# Altium PCB ESP32_with_USBC_PCB_V1.0.PcbDoc (continued)
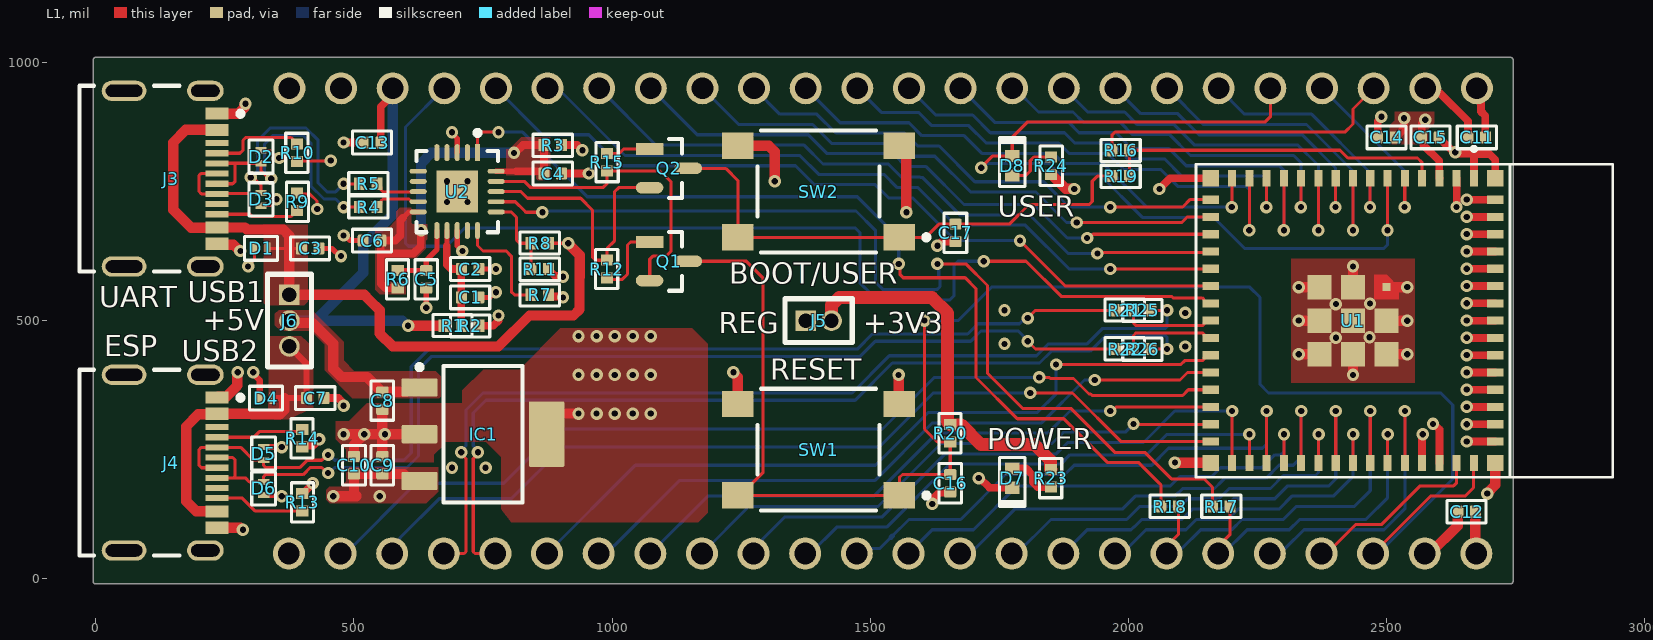
[diagram p0: L1 view]
## Part data (continued)
U1: "20.5dBm ESP32-S3FN8 Chip 2.4GHz SMD WiFi Modules ROHS", LCSC Part=C2913206, Manufacturer="Espressif Systems", Supplier Part Number=5407-ESP32-S3-MINI-1-N8CT-ND, Category="RF Transceiver Modules and Modems", ComponentLink1Description=https://datasheet.octopart.com:443/ESP32-S3-MINI-1-N8-Espressif-Systems-datasheet-188867343.pdf?src-supplier=TME, ComponentLink1URL=https://datasheet.octopart.com:443/ESP32-S3-MINI-1-N8-Espressif-Systems-datasheet-188867343.pdf?src-supplier=TME, ComponentLink2Description=https://datasheet.octopart.com:443/ESP32-S3-MINI-1-N8-Espressif-Systems-datasheet-165560562.pdf?src-supplier=TME, ComponentLink2URL=https://datasheet.octopart.com:443/ESP32-S3-MINI-1-N8-Espressif-Systems-datasheet-165560562.pdf?src-supplier=TME, ComponentLink3Description=https://datasheet.octopart.com:443/ESP32-S3-MINI-1-N8-Espressif-Systems-datasheet-165560559.pdf?src-supplier=TME, ComponentLink3URL=https://datasheet.octopart.com:443/ESP32-S3-MINI-1-N8-Espressif-Systems-datasheet-165560559.pdf?src-supplier=TME, ComponentLink4Description=https://datasheet.octopart.com:443/ESP32-S3-MINI-1-N8-Espressif-Systems-datasheet-192318068.pdf?src-supplier=HQonline, ComponentLink4URL=https://datasheet.octopart.com:443/ESP32-S3-MINI-1-N8-Espressif-Systems-datasheet-192318068.pdf?src-supplier=HQonline, Manufacturer Part Number=ESP32-S3-MINI-1-N8, Pricing="1=5,28, 10=4,566, 25=4,3196, 100=3,9802, 250=3,7768 (USD)", RoHS=Compliant, Stock=6313, Supplier=DigiKey
U2: "Tape & Reel (TR) 2006 UART USB 2.0 interface controller 3.3V~5V 4mm 8mA 12Mbps", Ambient Temperature Range High=85°C, Case/Package=QFN, Clock Frequency=12.02MHz, LCSC Part=C132159, Manufacturer=FTDI, Max Supply Current=8.4mA, Max Supply Voltage=5.5V, Min Operating Temperature=-40°C, Min Supply Voltage=2.97V, Operating Supply Current=8mA, Operating Supply Voltage=5V, Supplier Part Number=768-1128-6-ND, Category="UART Interface ICs", ComponentLink1Description=https://datasheet.octopart.com:443/FT231XQ-R-FTDI-datasheet-182343132.pdf?src-supplier=IHS, ComponentLink1URL=https://datasheet.octopart.com:443/FT231XQ-R-FTDI-datasheet-182343132.pdf?src-supplier=IHS, ComponentLink2Description=https://datasheet.octopart.com:443/FT231XQ-R-FTDI-datasheet-11021087.pdf?src-supplier=HQonline, ComponentLink2URL=https://datasheet.octopart.com:443/FT231XQ-R-FTDI-datasheet-11021087.pdf?src-supplier=HQonline, ComponentLink3Description=https://datasheet.octopart.com:443/FT231XQ-R-FTDI-datasheet-28834672.pdf?src-supplier=SOS+electronic, ComponentLink3URL=https://datasheet.octopart.com:443/FT231XQ-R-FTDI-datasheet-28834672.pdf?src-supplier=SOS+electronic, ComponentLink4Description=https://datasheet.octopart.com:443/FT231XQ-R-FTDI-datasheet-68321328.pdf?src-supplier=TME, ComponentLink4URL=https://datasheet.octopart.com:443/FT231XQ-R-FTDI-datasheet-68321328.pdf?src-supplier=TME, ComponentLink5Description=https://datasheet.octopart.com:443/FT231XQ-R-FTDI-datasheet-134530624.pdf?src-supplier=SHENGYU+ELECTRONICS, ComponentLink5URL=https://datasheet.octopart.com:443/FT231XQ-R-FTDI-datasheet-134530624.pdf?src-supplier=SHENGYU+ELECTRONICS, Data Rate=12Mbps, Height=800µm, Height - Seated (Max)=800µm, Interface="UART, USB", Lead Free="Lead Free", Length=4mm, Lifecycle Status=Production, Manufacturer Part Number=FT231XQ-R, Max Operating Temperature=85°C, Mounting Technology="Surface Mount", Number of Channels=1, Number of Terminals=20, Pins=20, Pricing="1=2,34, 25=2,27, 100=2,2, 250=2, 500=1,82002, 1000=1,7625 (USD)", REACH SVHC=Yes, RoHS=Compliant, Supplier=DigiKey, Terminal Pitch=500µm, Weight=123.008581mg, Width=4mm

## Via types
v1: diameter 24, hole 12, L1 to L4, tented both sides, 160 vias

## Nets (pads, with @x,y where several pads share a name; then routed paths per layer and width w, separated by ;. In a path a pad name is that pad's centre, name@x,y a point inside that pad or via, vN(x,y) a via of type N, cw(c..) or ccw(c..) an arc to the next point about the centre after c; other vN are vias at no path point)
+3V3: C11.2 C12.2 C14.2 C15.2 J1.2 J2.1 J5.2 R2.1 R3.1 R20.2 R23.2 R24.2 U1.3 | length 4783.1
  L1 w15: R2.1 770,490 780,500 v1(780,510) ; R3.1 932.56,840 v1(942.56,830) ; C14.2@2517.01,855.07 2517.01,856.18 2520.14,859.31 2521.25,859.31 2534,872.07 v1(2534,892) ; v1(2575,889) 2567.99,881.99 C15.2 2571.12,851.87 2571.12,840.25 2601.99,809.39 2601.99,775.96 U1.3 ; J1.2 2583.99,941.01 2602.99,941.01 2657.99,886.01 C11.2
  L1 w20: R24.2 1850.63,782.36 1851.81,782.36 1878.41,755.77 1894.23,755.77 v1(1895,755) ; C12.2 2672.01,50.99 J2.1
  L1 w25: J5.2 1425,530 1440,545 1619.4,545 1650,514.4 1650,304.02 1655.89,298.13 1676.13,298.13 1714.26,260 1818.08,260 1849.04,229.04 1849.04,212.97 R23.2
  L2 w15: v1(2534,892) 2569.56,892 2572.56,889 v1(2575,889)
  L2 w20: v1(2575,889) 2575,690 2622,643 2622,101 J2.1
  L2 w40: v1(780,510) 789.4,510 817,537.6 817,762 885,830 935.6,830 943.68,838.07 1425,838.07 ; J5.2 1425,838.07 ; v1(1895,755) 1890.53,759.47 1890.53,814.64 1867.1,838.07 ; J1.2 v1(2575,889) 2524.07,838.07 1867.1,838.07 ; 1425,838.07 1867.1,838.07
+3V3_FTDI: C4.2 C6.2 R3.2 R6.1 U2.10 U2.20 | length 878.2
  L1 w10.01: 595,699.36 606.27,710.63 U2.10 ; U2.20 815,789.37
  L1 w15: R6.1 584.94,563.05 560.79,563.05 552.01,571.83 552.01,630 ; 595,699.36 590,694.36 590,665 580,655 C6.2 552.01,630 ; v1@629.23,674.23 629.23,644.23 615,630 552.01,630 ; v1(810,825) 812.44,825 827.44,840 R3.2 C4.2@867.99,786.18 ; 815,789.37 856.08,789.37 856.13,789.31 864.86,789.31 C4.2@867.99,786.18 ; C4.2 C4.2@867.99,786.18
  L1 w20: v1@629.23,674.23 v1(630,675)
  L4 w20: v1(630,675) 630,805 650,825 v1(810,825)
+3V3_REG: C9.2 C10.2 IC1.3 J5.1 | length 1435.5
  L1 w20: v1(460,160) 505,160 505,161.08 500,166.08 C10.2 C9.2 ; C9.2@556.18,202.99 596.69,202.99 610.24,189.45 IC1.3
  L2 w40: v1(460,160) v1(550,160) 1305,160 1375,230 J5.1
+5V: C8.2 C13.2 IC1.1 J1.22 J6.2 R1.1 | length 1270.7
  L1 w15: C13.2 552.01,914.29 575,937.28 J1.22
  L1 w20: J6.2 378.83,496.17 418.83,496.17 460,455 460,406.72 475.79,390.92 524.9,390.92 553.82,362.01 C8.2 601.69,362.01 610.24,370.55 IC1.1 ; v1(605,490) R1.1
  L4 w20: J6.2 425,500 ; J1.22 575,705.49 518,648.49 518,593 425,500 ; v1(605,490) 603.92,490 593.92,500 425,500
+5V_VBUS1: C3.1 D1.2 J3.A4B9 J3.B4A9 J6.1 R8.2 | length 1485.7
  L1 w6: D1.2 375,640 C3.1 ; R8.2 v1(915,650)
  L1 w20: J3.B4A9@234.33,680 185,680 150,715 150,845 174.49,869.49 J3.A4B9 ; J3.B4A9 288.42,680.51 292.43,676.5 363.28,676.5 375,664.78 375,640 J6.1 520,550 529.97,540.03 550,520 550,475 575,450 780,450 840,510 925.28,510 937,521.72 937,585 937.1,585.1 937.1,626.81 915,648.92 v1(915,650)
+5V_VBUS2: C7.1 D4.2 J4.A4B9 J4.B4A9 J6.3 | length 618.6
  L1 w12: D4.2 365,350 C7.1 407.99,417.01 J6.3
  L1 w20: J4.B4A9 194.49,130.51 175,150 175,295 198.73,318.73 234.08,318.73 J4.A4B9 275,319.49 302.73,319.49 303.22,319 356.78,319 365,327.22 365,350
+VCC_FTDI: C1.2 C2.2 R1.2 R2.2 U2.12 | length 207.6
  L1 w10.01: 679.99,645 679.99,650 680.08,650.09 680.08,674.35 U2.12
  L1 w15: 679.99,645 679.99,608.79 688.78,600 C2.2 C1.2 R1.2
BTN_GPIO_0: C17.2 Q2.3 R19.2 SW2.1 SW2.2 | length 1012.4
  L1 w6: Q2.3 1220,795 1243.5,771.5 SW2.2 SW2.1 1607.3,661.42 1632.89,687.01 C17.2 1769.41,687.01 1807.4,725 1924.14,725 1930,730.86 1930,770 1940,780 R19.2
CHIP_PU: C16.2 J2.3 Q1.3 R20.1 SW1.1 SW1.2 U1.45 | length 3280.9
  L1 w6: Q1.3 1260,615 1292.09,582.91 1292.09,205.08 1248.43,161.42 SW1.2 SW1.1 1556.5,196.15 1562.35,202.01 C16.2 R20.1 1629.93,265 1605,289.93 v1(1605,500) ; J2.3 2585,160 2651.82,160 2668.41,176.59 2668.41,223.53 U1.45
  L4 w6: v1(1605,500) 1670,500 1735,565 2235,565 2255,545 2255,376.52 2271.52,360 2605,360 2628.26,336.74 2628.26,193.26 2484,49 J2.3
CON1_USB_N: D2.2 J3.A7 J3.B7 R4.1 | length 568.6
  L1 w6.03: J3.A7 265.16,765.16 270,770 270,804.76 ; J3.B7 235.08,804.76 270,804.76 ; v1(340,775) 336.56,778.44 331.56,778.44 320,790 D2.2 319.76,804.76 270,804.76 ; v1(480,720) R4.1
  L4 w6.03: v1(340,775) 338.8,775 327.02,786.78 327.02,842.17 343.8,858.95 401.2,858.95 416.63,843.53 416.63,760.92 442.06,735.49 464.51,735.49 v1(480,720)
CON1_USB_P: D3.2 J3.A6 J3.B6 R5.1 | length 612.6
  L1 w6.03: J3.A6 203.53,784.84 200,781.31 200,750 204.53,745.47 J3.B6 235.86,746.49 318.99,746.49 D3.2 320,762.5 v1@308.44,774.06 ; v1(480,765) R5.1
  L4 w6.03: v1(300,777.5) 301.2,777.5 312.98,789.28 312.98,847.99 337.98,872.99 407.01,872.99 430.66,849.34 430.66,766.73 447.87,749.51 464.51,749.51 v1(480,765)
CON2_USB_N: D5.2 J4.A7 J4.B7 R21.1 | length 2099.8
  L1 w6.03: J4.A7 204.84,215.16 200,220 200,250 204.53,254.53 J4.B7 280.47,254.53 305,230 D5.2 325,219.3 328.53,215.76 395.76,215.76 409.51,229.51 437.48,229.51 447.97,240 v1(450,240) ; v1(1805,505) 1820,520 R21.1
  L4 w6.03: v1(450,240) 452.03,240 462.52,229.51 596.95,229.51 610.97,243.53 610.97,410.97 644.92,444.92 1475.08,444.92 1504.19,474.03 1688.7,474.03 1708.7,494.03 1789.17,494.03 1800.14,505 v1(1805,505)
CON2_USB_P: D6.2 J4.A6 J4.B6 R22.1 | length 2067.1
  L1 w6.03: J4.B6 266.94,195.47 ; J4.A6 265.16,234.84 270,230 270,198.53 266.94,195.47 ; v1(450,205) 447.97,205 437.48,215.49 415.33,215.49 401.58,201.74 328.53,201.74 325,198.2 D6.2 297.5,187.5 289.53,195.47 266.94,195.47 ; v1(1805,460) 1820,445 R22.1
  L4 w6.03: v1(450,205) 452.03,205 462.52,215.49 602.76,215.49 625,237.72 625,405.16 650.73,430.89 1480.89,430.89 1510,460 1694.51,460 1714.51,480 1786.67,480 1805,461.67 v1(1805,460)
CON_ESP_USB_N: J2.21 R25.1 | length 1813.7
  L1 w6.03: J2.21 713.45,49 716.99,52.53 716.99,232.48 708,241.47 v1(708,245) ; R25.1 v1(2075,520)
  L4 w6.03: v1(708,245) 708,248.53 716.99,257.52 716.99,326.83 750.08,359.92 909.92,359.92 1464.92,359.92 1537.05,432.05 1755.41,432.05 1755.47,431.99 1822.14,431.99 1845.16,455 1920.16,455 1950.16,485 2071.47,485 2075,488.53 v1(2075,520)
CON_ESP_USB_P: J2.20 R26.1 | length 1781.4
  L1 w6.03: v1(740,245) 740,241.47 731.01,232.48 731.01,52.53 734.55,49 J2.20 ; R26.1 v1(2075,445)
  L4 w6.03: v1(740,245) 740,248.53 731.01,257.52 731.01,321.01 755.89,345.89 1470.73,345.89 1542.86,418.01 1749.6,418.01 1749.66,417.95 1827.95,417.95 1850.97,440.97 1925.97,440.97 1955.97,470.97 2071.47,470.97 2075,467.44 v1(2075,445)
CON_GPIO_0: J1.3 R16.2 | length 590.9
  L1 w6: R16.2 1967.99,859.14 1973.85,865 2419.14,865 2435,880.86 2435,910 J1.3
DTR_FTDI: Q2.2 R12.2 U2.18 | length 533
  L1 w6: U2.18 823.03,750 836.03,737 939.2,737 962.1,714.1 962.1,622.87 967.96,617.01 R12.2 990,640 1005,655 1005,750 1012.6,757.6 Q2.2
ESP_USB_N: R21.2 R25.2 U1.23 | length 181
  L1 w6.03: R21.2 2010,495.28 2015,490.28 2143.18,490.28 2146.72,493.82 2146.72,495.14 2151.57,500 U1.23
ESP_USB_P: R22.2 R26.2 U1.24 | length 182.6
  L1 w6.03: R22.2 2010,471.25 2015,476.25 2143.18,476.25 2146.72,472.72 2146.72,471.39 2151.57,466.54 U1.24
FTDI_RESET: C5.2 R6.2 U2.11 | length 141.1
  L1 w10.01: R6.2 C5.2 640,617 648,625 660.63,637.63 U2.11
FTDI_USB_N: R4.2 U2.9 | length 90.7
  L1 w6.03: R4.2 552.61,727.61 552.61,731.95 556.15,735.49 595,735.49 606.71,735.49 611.88,730.32 U2.9
FTDI_USB_P: R5.2 U2.8 | length 88.7
  L1 w6.03: R5.2 552.61,757.39 552.61,753.05 556.15,749.51 624.1,749.51 U2.8
GND: C1.1 C2.1 C3.2 C4.1 C5.1 C6.1 C7.2 C8.1 C9.1 C10.1 C11.1 C12.1 C13.1 C14.1 C15.1 C16.1 C17.1 D1.1 D2.1 D3.1 D4.1 D5.1 D6.1 D7.1 IC1.2 IC1.4 J1.1 J1.23 J2.2 J2.24 J3.A1B12 J3.B1A12 J3.S1 J3.S2 J3.S3 J3.S4 J4.A1B12 J4.B1A12 J4.S1 J4.S2 J4.S3 J4.S4 R7.1 R9.1 R10.1 R11.1 R13.1 R14.1 SW1.3 SW1.4 SW2.3 SW2.4 U1.1 U1.2 U1.42 U1.43 U1.46 U1.47 U1.48 U1.49 U1.50 U1.51 U1.52 U1.53 U1.54 U1.55 U1.56 U1.57 U1.58 U1.59 U1.60 U1.61 U1.62 U1.63 U1.64 U1.65 U1.66 U1.67 U1.68 U1.69 U1.70 U1.71 U1.72 U1.73 U2.3 U2.13 U2.21 | length 4157.5
  L1 w6: v1(295,605) 307.5,617.5 D1.1 ; D3.1 321,723.5 338.5,723.5 v1(350,735) ; D2.1 321,829 337.21,829 351.21,815 v1(355,815) ; R9.1 392.01,745 415,745 428.41,731.59 428.41,716.59 v1(428.81,716.19) ; R10.1 391,809 454,809 v1(455,810)
  L1 w10.01: C3.2 457.65,640 472.65,625 v1(475,625) ; v1(480,665) 482.35,665 492.35,655 C6.1 ; v1(640,525) C5.1 ; v1(690,865) 690,862.67 700,852.67 U2.3 ; U2.13 700,645 v1(710,635) ; C1.1 762.67,545 772.67,555 v1(775,555) ; C2.1 v1(775,600)
  L1 w12: v1(305,400) 305,396.75 317.5,384.25 D4.1 ; D6.1 354.25,162.5 356.75,160 v1(360,160) ; D5.1 v1(360,255)
  L1 w15: R14.1 403.13,258.13 420.69,258.13 v1(432.56,270) ; R13.1@401.18,165 420,183.82 v1(420,185) ; C7.2 470,350 480,340 v1(480,335) ; v1(480,845) C13.1 ; R7.1 877.01,549.85 880.14,546.72 903.28,546.72 v1(905,545) ; R11.1 877.01,598.82 889.1,586.72 903.28,586.72 v1(905,585) ; C4.1 v1(955,785) ; v1(1620,145) 1621.72,146.72 1621.72,155.44 1633.29,167 1654.01,167 C16.1 ; v1(1630,645) 1637.99,652.99 C17.1 ; v1(1710,195) 1712.44,195 1731.14,176.3 D7.1 ; v1(2060,755) 2080.59,775.59 U1.63 ; C14.1 2482.99,885.56 2490,892.56 v1(2490,895) ; U1.42 2568.9,278.9 v1(2570,280) ; v1(2590,300) 2591.72,300 2602.36,289.36 U1.43 ; C15.1 2602.01,853.82 2629.83,826 v1(2633,826) 2634.08,826 2636.89,823.19 2675.35,823.19 ; v1@2635.83,720.43 U1.2 ; v1@2655.47,265.75 U1.46 ; v1@2655.47,299.21 U1.47 ; v1@2655.47,332.68 U1.48 ; v1@2655.47,366.14 U1.49 ; v1@2655.47,399.61 U1.50 ; v1@2655.47,433.07 U1.51 ; v1@2655.47,466.54 U1.52 ; v1@2655.47,500 U1.53 ; v1@2655.47,533.46 U1.54 ; v1@2655.47,566.93 U1.55 ; v1@2655.47,600.39 U1.56 ; v1@2655.47,633.86 U1.57 ; v1@2655.47,667.32 U1.58 ; v1@2655.47,700.79 U1.59 ; v1@2655.47,734.25 U1.60 ; U1.1 2669.29,817.13 2675.35,823.19 ; J1.1 2683.04,941.96 2683.04,905.15 2691.38,896.81 2691.38,854.37 C11.1 ; U1.62 2710.63,811.28 2698.91,823 2675.54,823 2675.35,823.19
  L1 w20: J4.B1A12 279.9,99.02 283.92,95 v1(285,95) ; J4.A1B12 236.65,352.8 252.8,352.8 274.23,374.23 274.23,399.23 v1(275,400) ; J3.B1A12 236.65,647.2 266.71,647.2 278.92,635 v1(280,635) ; J3.A1B12 275.98,900.98 287.32,912.32 287.32,917.32 v1(290,920) ; v1(480,280) v1(520,280) v1(560,280) ; C10.1 500.16,237.17 500.16,260.16 v1@519.23,279.23 ; C9.1 555,273.92 560,278.92 v1(560,280) ; C8.1 555,286.08 560,281.08 v1(560,280) ; IC1.2 v1(560,280) ; IC1.4 873.03,295.55 897.48,320 v1(935,320) ; v1(1235,400) 1235,398.92 1243.5,390.41 SW1.4 ; SW2.4 1303.28,838.58 1315,826.87 v1(1315,770) ; v1(1555,395) 1555,340.08 SW1.3 ; SW2.3 1570,825.08 v1(1570,710) ; v1(2090,225) 2090.3,224.7 2159.15,224.7 U1.64 ; v1@2328.99,500.04 v1(2330,500.04) ; v1(2330,435.08) U1.70@2370.04,435.08 ; v1(2330,500.04) U1.71 ; v1(2330,565) U1.72 ; v1(2435,394.96) U1.69 ; U1.73@2435.08,565 v1(2435.08,605.04) ; U1.68 v1(2540,435) ; U1.67 v1(2540.08,499.96) ; U1.66@2500.04,564.92 v1(2540.08,564.92) ; J2.2 2584,49 2637.99,102.99 C12.1 ; v1(2695,165) 2695,166.08 2710.63,181.71 U1.65
  other v1: 690,215 755,215 2655.26,265.96 2655.26,299.43 970,320 1005,320 1040,320 1075,320 2655.26,332.89 2655.26,366.36 935,395 970,395 1005,395 1040,395 1075,395 2655.26,399.82 2655.26,433.29 2110,450 1760,455 2402,467 2655.26,466.75 2467,468 935,470 970,470 1005,470 1040,470 1075,470 2655.26,500.22 2110,515 1760,520 2402,532 2468,533 2655.26,533.68 2655.26,567.15 2655.26,600.61 2655.26,634.07 2655.26,667.54 2655.26,701 2635.61,720.22 680,730 720,730 2655.26,734.47 680,770 720,770
GPIO_1: J1.4 U1.5 | length 352
  L1 w6: v1(2535,720) 2535.22,720.22 2535.22,775.37 U1.5
  L4 w6: J1.4 2535,790 v1(2535,720)
GPIO_2: D8.1 J1.5 U1.6 | length 1667.5
  L1 w6: v1(1715,796.07) 1715,797.15 1736.55,818.7 D8.1 1775,855 1805,885 2265,885 2275,895 J1.5 ; v1@2501.97,675.04 U1.6
  L4 w6: v1(1715,796.07) 1718.79,796.07 1726.72,804 1846.72,804 1866.72,784 1943.01,784 2027.01,700 2165,700 2225,640 2495,640 2501.93,646.93 v1(2501.93,675)
GPIO_3: J1.6 U1.7 | length 483.3
  L1 w6: v1(2468.07,720) 2468.29,720.22 2468.29,775.37 U1.7
  L4 w6: J1.6 2225,900 2355,900 2468.07,786.93 v1(2468.07,720)
GPIO_4: J1.7 U1.8 | length 641.9
  L1 w6: v1(2435,675) v1(2435,675) U1.8
  L4 w6: J1.7 2145,880 2345,880 2435,790 v1(2435,675)
GPIO_5: J1.8 U1.9 | length 621.5
  L1 w6: v1(2401.14,720) 2401.36,720.22 2401.36,775.37 U1.9
  L4 w6: J1.8 2024.14,900.86 2095.86,900.86 2136.72,860 2336.72,860 2401.14,795.57 v1(2401.14,720)
GPIO_6: J1.9 U1.10 | length 781
  L1 w6: v1(2368.07,675) U1.10
  L4 w6: J1.9 1921,904 1992.72,904 2016.36,880.36 2088.07,880.36 2128.43,840 2328.43,840 2368.07,800.36 v1(2368.07,675)
GPIO_7: J1.10 U1.11 | length 760.6
  L1 w6: v1(2334.21,720) 2334.43,720.22 2334.43,775.37 U1.11
  L4 w6: J1.10 1779.95,950 1825.95,904 1892.72,904 1912.72,884 1984.43,884 2008.07,860.36 2079.79,860.36 2120.15,820 2320.15,820 2334.21,805.93 v1(2334.21,720)
GPIO_8: J1.11 U1.12 | length 908.7
  L1 w6: v1@2301.18,675.04 U1.12
  L4 w6: J1.11 1741,884 1884.43,884 1904.43,864 1976.15,864 2007.14,833 2078.86,833 2111.86,800 2292.36,800 2301.14,791.22 v1(2301.14,675)
GPIO_9: J1.12 U1.13 | length 875
  L1 w6: v1(2267.28,720) 2267.5,720.22 2267.5,775.37 U1.13
  L4 w6: J1.12 1626.64,898.36 1698.36,898.36 1732.72,864 1876.15,864 1896.15,844 1967.86,844 1998.86,813 2070.58,813 2103.58,780 2261.43,780 2267.28,774.14 v1(2267.28,720)
GPIO_10: J1.13 U1.14 | length 1020
  L1 w6: v1@2234.25,675.04 U1.14
  L4 w6: J1.13 1521.64,903.36 1593.36,903.36 1618.36,878.36 1690.07,878.36 1724.43,844 1865,844 1885,824 1959.58,824 1990.58,793 2062.29,793 2095.29,760 2228.35,760 2234.21,754.14 v1(2234.21,675)
GPIO_11: J1.14 U1.15 | length 976.4
  L1 w6: v1(2200.35,720) 2200.57,720.22 2200.57,775.37 U1.15
  L4 w6: J1.14 1441.64,883.36 1575,883.36 1600,858.36 1681.79,858.36 1716.15,824 1855,824 1875,804 1951.29,804 2035.29,720 v1(2200.35,720)
GPIO_12: J1.15 U1.16 | length 986.2
  L1 w6: v1(1965,720) 2105,720 2120,735 2158.7,735 U1.16
  L4 w6: J1.15 1325,900 1396.72,900 1433.36,863.36 1566.72,863.36 1591.72,838.36 1633.46,838.36 1702.74,769.07 1835.93,769.07 1885,720 v1(1965,720)
GPIO_13: J1.16 U1.17 | length 1096.6
  L1 w6: v1(1900,690) 2103.28,690 2114.07,700.79 U1.17
  L4 w6: J1.16 1245,880 1388.43,880 1425.07,843.36 1558.43,843.36 1583.43,818.36 1625.17,818.36 1694.46,749.07 1820.93,749.07 1880,690 v1(1900,690)
GPIO_14: J1.17 U1.18 | length 1207.6
  L1 w6: v1(1920,660) 1923.79,660 1931.11,667.32 U1.18
  L4 w6: J1.17 1165,860 1380.15,860 1416.79,823.36 1545,823.36 1570,798.36 1608.21,798.36 1681.57,725 1816.72,725 1881.72,660 v1(1920,660)
GPIO_15: J1.18 U1.19 | length 1318.6
  L1 w6: v1(1940,630) 1941.93,631.93 2157.52,631.93 U1.19
  L4 w6: J1.18 1085,840 1371.86,840 1408.51,803.36 1535,803.36 1560,778.36 1596.64,778.36 1597.4,777.6 1600.69,777.6 1673.28,705 1808.43,705 1883.43,630 v1(1940,630)
GPIO_16: J1.19 U1.20 | length 1429.6
  L1 w6: v1(1965,600) 1965.39,600.39 U1.20
  L4 w6: J1.19 884.95,940.05 904.95,940.05 1025,820 1363.58,820 1400.22,783.36 1526.72,783.36 1552.47,757.6 1592.4,757.6 1665,685 1800.15,685 1885.15,600 v1(1965,600)
GPIO_17: J1.20 U1.21 | length 1543.1
  L1 w6: v1(1790,655) 1878.07,566.93 U1.21
  L4 w6: J1.20 865,860 955,860 1015,800 1355.29,800 1391.94,763.36 1510,763.36 1535.76,737.6 1582.4,737.6 1665,655 v1(1790,655)
GPIO_18: J1.21 U1.22 | length 2123.1
  L1 w6: v1(1720,615) 1801.72,615 1869.79,546.93 2083.43,546.93 2086.3,544.06 2142.84,544.06 2148.7,538.2 2148.7,536.34 2151.57,533.46 U1.22
  L4 w6: J1.21 600,875 600,650 605.86,644.14 679.14,644.14 714.5,679.5 1471.21,679.5 1480,670.71 1480,573.18 1502.32,550.86 1513.18,540 1654.14,540 1662,547.86 1662,607 1670,615 v1(1720,615)
GPIO_21: J2.19 U1.25 | length 1479
  L1 w6: v1(1860,415) 2101.72,415 2109.2,422.48 2143.19,422.48 2146.7,425.99 2146.7,428.2 2151.57,433.07 U1.25
  L4 w6: J2.19 1045,220 1510.24,220 1612.24,322 1823.72,322 1860,358.28 v1(1860,415)
GPIO_26: J2.18 U1.26 | length 1330.7
  L1 w6: v1(1935,385) 2100,385 2114.61,399.61 U1.26
  L4 w6: J2.18 988.07,49 1003.1,64.03 1004.03,64.03 1130,190 1508.53,190 1620.53,302 1832,302 1915,385 v1(1935,385)
GPIO_33: J2.17 U1.28 | length 1203
  L1 w6: v1(1965,325) 1968.79,325 1976.47,332.68 U1.28
  L4 w6: J2.17 1185,160 1506.81,160 1628.81,282 1843.86,282 1886.86,325 v1(1965,325)
GPIO_34: J2.16 U1.29 | length 1089.7
  L1 w6: v1(2010,300) 2010.79,299.21 U1.29
  L4 w6: J2.16 1265,140 1515.09,140 1637.09,262 1852.15,262 1874.29,284.14 1994.14,284.14 v1(2010,300)
GPIO_35: J2.15 U1.31 | length 1147.6
  L1 w6: U1.31 v1(2200.83,325)
  L4 w6: J2.15 1274,59 1335,120 1523.38,120 1645.38,242 1860.43,242 1882.57,264.14 2029.14,264.14 2090,325 v1(2200.83,325)
GPIO_36: J2.14 U1.32 | length 1011.2
  L1 w6: U1.32 v1@2234.25,279.57
  L4 w6: J2.14 1384,49 1435,100 1531.66,100 1653.66,222 1868.72,222 1886.72,240 2035,240 2074.78,279.78 v1(2234.47,279.78)
GPIO_37: J2.13 U1.33 | length 1046.2
  L1 w6: U1.33 v1@2267.72,324.96
  L4 w6: J2.13 1483.95,58.95 1518.95,58.95 1540.18,80.18 ; 1542.82,82.82 1575,115 1675,115 1762,202 1877,202 1895,220 2045,220 2077.78,252.78 2259.68,252.78 2267.76,260.86 v1(2267.76,325)
  L4 w10: 1540.18,80.18 cw(c1574,49) 1542.82,82.82
GPIO_38: J2.12 U1.34 | length 897.7
  L1 w6: U1.34 v1@2301.18,279.57
  L4 w6: J2.12 1620,95 1700,95 1785,180 2081.72,180 2099.72,198 2161.43,198 2178.43,215 2258.58,215 2283.58,240 2295,240 2301.4,246.4 v1(2301.4,279.78)
GPIO_39: J2.11 U1.35 | length 928.1
  L1 w6: U1.35 v1@2334.65,324.96
  L4 w6: J2.11 1683.95,58.95 1703.95,58.95 1780,135 1988.43,135 2013.43,160 2090,160 2105,175 2166.72,175 2181.72,190 2181.86,190 2186.86,195 2266.86,195 2291.86,220 2319.37,220 2334.69,235.31 v1(2334.69,325)
GPIO_40: J2.10 U1.36 | length 788.4
  L1 w6: U1.36 v1@2368.11,279.57
  L4 w6: J2.10 1784,49 1850,115 1996.72,115 2021.72,140 2100.15,140 2115.15,155 2175.15,155 2195.15,175 2275.15,175 2300.15,200 2362.47,200 2368.33,205.86 v1(2368.33,279.78)
GPIO_41: J2.9 U1.37 | length 819.7
  L1 w6: U1.37 v1(2401.61,325)
  L4 w6: J2.9 1920,95 2005,95 2010,100 2010.79,100 2025.79,115 2103.43,115 2123.43,135 2183.43,135 2203.43,155 2283.43,155 2308.43,180 2388.43,180 2401.61,193.18 v1(2401.61,325)
GPIO_42: J2.8 U1.38 | length 659.6
  L1 w6: U1.38 v1@2435.04,279.57
  L4 w6: J2.8 1988.07,49 2034.07,95 2111.72,95 2131.72,115 2191.72,115 2211.72,135 2291.72,135 2316.72,160 2396.72,160 2435.26,198.54 v1(2435.26,279.78)
GPIO_45: J2.5 U1.41 | length 587.4
  L1 w6: U1.41 v1@2535.43,324.96
  L4 w6: J2.5 2283.95,58.95 2303.95,58.95 2340,95 2495,95 2535.47,135.47 v1(2535.47,325)
GPIO_46: J2.4 U1.44 | length 357.1
  L1 w6: J2.4 2384,49 2440,105 2490,105 2565,180 2629.97,180 2635.83,185.86 U1.44
GPIO_47: J2.23 U1.27 | length 1845.8
  L1 w6: v1(1827.5,390) 1846.82,390 1848.82,388 1893.82,388 1923.82,358 1927,358 1930,355 2105,355 2116.14,366.14 U1.27
  L4 w6: J2.23 484,49 620,185 790,185 820,215 895,290 1523.67,290 1623.67,390 v1(1827.5,390)
GPIO_48: J2.22 U1.30 | length 1762.1
  L1 w6: v1(1810,360) 1891.82,360 1986.07,265.75 U1.30
  L4 w6: J2.22 574,63.07 589.03,78.1 589.03,79.03 665,155 805,155 905,255 1516.96,255 1621.96,360 v1(1810,360)
NetD7_2: D7.2 R23.1 | length 97.9
  L1 w15: D7.2 1801.9,213.7 1815,200.6 1815,186.78 1823.79,177.99 R23.1
NetD8_2: D8.2 R24.1 | length 101.5
  L1 w6: D8.2 1801.3,781.3 1810,790 1810,810 1817.01,817.01 R24.1
NetJ3_A5: J3.A5 R10.2 | length 185.3
  L1 w6: J3.A5 279.14,824.21 285,830.07 285,849.14 290.86,855 377.33,855 383.19,849.14 383.19,847.64 388.82,842.01 R10.2
NetJ3_B5: J3.B5 R9.2 | length 161.8
  L1 w6: J3.B5 298.18,706.1 302.79,701.5 377.33,701.5 388.82,712.99 R9.2
NetJ4_A5: J4.A5 R14.2 | length 171.3
  L1 w6: J4.A5 306,274.21 316.79,285 395.98,285 R14.2
NetJ4_B5: J4.B5 R13.2 | length 176.7
  L1 w6: J4.B5 283.9,156.1 309.02,130.98 R13.2 R13.2@401.18,130.98
NetQ1_1: Q1.1 R12.1 | length 146.9
  L1 w6: R12.1 992.99,580 1020,580 1030,590 1030,646.54 1035.86,652.4 Q1.1
NetQ2_1: Q2.1 R15.1 | length 86.1
  L1 w6: R15.1 1014.02,824.02 1022.4,832.4 Q2.1
NetR7_2: R7.2 U2.15 | length 212.7
  L1 w6: U2.15 739.37,645.63 750,635 795,635 805,625 805,555.86 810.86,550 R7.2
NetR16_1: R16.1 R19.1 U1.4 | length 657.3
  L1 w6: R19.1 R16.1 2410,830 2425,815 2560,815 2568.9,806.1 U1.4
RTS_FTDI: Q1.2 R15.2 U2.19 | length 603.5
  L1 w6: U2.19 830.04,769.68 832.86,766.87 841.54,758.19 858.4,758.19 983.19,758.19 990,765 R15.2 1092.77,790 1114.29,768.48 1114.29,634.93 1104.37,625 1078.86,625 1073,619.14 1073,578.02 Q1.2
RXD_FTDI: R18.1 U2.1 | length 1823.7
  L1 w6: U2.1 739.37,856.48 747.89,865 v1(780,865) ; v1(1555.25,610) 1557.93,607.32 1557.93,588.86 1563.78,583 1683.72,583 1705,561.72 1705,390 1785,310 1875,310 1960,225 2020,225 2062.99,182.01 R18.1
  L4 w6: v1(780,865) 826.82,865 951.82,740 1475,740 1555.25,659.75 v1(1555.25,610)
TXD_FTDI: R17.1 U2.17 | length 1888.4
  L1 w6: U2.17 812.59,730.32 829.68,713.22 832.9,710 v1(865,710) ; v1(1630,610) 1685,610 1727.07,567.93 1727.07,397.93 1795,330 1888.36,330 1973.36,245 2031.82,245 2063,213.82 2083.16,193.66 2146.34,193.66 2162.99,177.01 R17.1
  L4 w6: v1(865,710) 867.5,712.5 1472.5,712.5 1510,675 1510,575 1525,560 1629.14,560 1635,565.86 1635,581.21 1632.68,583.53 1632.68,607.32 v1(1630,610)
U0RXD: J2.6 R17.2 U1.40 | length 651.3
  L1 w6: J2.6 2174,63.07 2197.01,86.08 R17.2 ; U1.40 v1@2501.97,279.57
  L4 w6: J2.6 2184,49 2230,95 2311.72,95 2331.72,115 2460,115 2502.19,157.18 v1(2502.19,279.78)
U0TXD: J2.7 R18.2 U1.39 | length 800.2
  L1 w6: J2.7 2074,63.07 2097.01,86.08 R18.2 ; U1.39 v1(2468.54,325)
  L4 w6: J2.7 2083.95,58.95 2103.95,58.95 2140,95 2200,95 2220,115 2300,115 2325,140 2437.69,140 2468.54,170.86 v1(2468.54,325)
VBUS_SENSE: R8.1 R11.2 U2.16 | length 168.6
  L1 w6: U2.16 775.64,710.4 804.6,710.4 815,700 815,655.86 820.86,650 R8.1 R11.2
pads on no net: J1.24 J3.A8 J3.B8 J4.A8 J4.B8 U2.2 U2.4 U2.5 U2.6 U2.7 U2.14

## Polygon pours and split planes (outlines as drawn)
GND on L1 "GND_L01_P010" (solid, remove dead copper, pour order 10): 900,485 820,405 750,405 710,365 710,340 525,340 490,305 465,305 465,270 485,250 485,235 495,225 655,225 655,240 675,260 675,265 755,265 785,235 785,135 805,110 1166.72,110 1185,128.28 1185,455 1155,485
GND on L1 "GND_L01_P009" (solid, remove dead copper, pour order 9): 2315,620 2555,620 2555,380 2315,380
+5V_VBUS2 on L1 "+5V_VBUS2_L01_P008" (solid, remove dead copper, pour order 8): 335.53,470 398,470 421,448 421,331 374,309 346,309 334.41,320.59
+5V_VBUS1 on L1 "+5V_VBUS1_L01_P007" (solid, remove dead copper, pour order 7): 325,686 325,534 329,530 404,530 411,537 411,686
+5V on L1 "+5V_L01_P006" (solid, remove dead copper, pour order 6): 658.08,401.92 668,392 668,353 665,350 497,350 443,404 443,453 416,480 358,480 347,491 347,513 354,520 419,520 480,459 480,423 500,403
+3V3_REG on L1 "+3V3_REG_L01_P005" (solid, remove dead copper, pour order 5): 663,169 640,146 453,146 446,153 446,172 452,178 474,178 485,189 485,210 491,216 663,216
+3V3_FTDI on L1 "+3V3_FTDI_L01_P004" (solid, remove dead copper, pour order 4): 600,575 600,551 550,551 541,560 541,674 548,681 568,681 582,695 582,712 589,719 611,719 611,700 611,689.57 614,687 642,687 642,658 639,655 639,639.01 620.98,621 565,621 562,618 562,577 564,575 570,575
+3V3_FTDI on L1 "+3V3_FTDI_L01_P001" (solid, remove dead copper, pour order 1): 795,832 801,832 824,855 880,855 880,775 877,772 856,772 853,775 853,782 795,782
+3V3 on L1 "+3V3_L01_P000" (solid, remove dead copper, pour order 0): 2516,905 2516,888 2506,878 2506,842 2581,842 2581,871 2592,882 2592,905
GND on L2 "GND_L02_P012" (solid, remove dead copper, pour order 12): 2725,15 -5.02,15 -5.02,1000 2725,1000
+3V3 on L2 "+3V3_L02_P011" (solid, remove dead copper, pour order 11): 2725,15 2725,995 940.58,995 915,969.42 915,810 1330,810 1405,735 1405,485 1410,480 1485,480 1495,490 1495,750 1515,770 1835,770 1905,700 2525,700 2525,140 2495,110 2220,110 2220,10.19
GND on L3 (split plane): 2724.92,10.08 15.08,10.08 15.08,989.92 2724.92,989.92

## Silkscreen, mask and mechanical layers (free items; w line width, h text height)
Top Overlay:
  text "USER" at 1746.69,701 h40
  text "BOOT/USER" at 1226.72,571 h40
  text "USB1" at 178.35,536 h40
  text "UART" at 6.69,526 h40
  text "+5V" at 206.68,481 h40
  text "REG" at 1206.68,476 h40
  text "+3V3" at 1486.69,476 h40
  text "ESP" at 16.68,431 h40
  text "USB2" at 166.69,421 h40
  text "RESET" at 1306.7,386 h40
  text "POWER" at 1726.7,251 h40
Bottom Overlay:
  text "+3V3" at 2593,867.31 h40 r90
  text "IO18" at 693,860.65 h40 r90
  text "IO17" at 793,860.65 h40 r90
  text "IO16" at 893,860.65 h40 r90
  text "IO15" at 993,860.65 h40 r90
  text "IO14" at 1093,860.65 h40 r90
  text "IO13" at 1193,860.65 h40 r90
  text "IO12" at 1293,860.65 h40 r90
  text "IO10" at 1493,860.65 h40 r90
  text "IO11" at 1393,853.98 h40 r90
  text "GND" at 493,847.32 h40 r90
  text "+5V" at 593,847.32 h40 r90
  text "GND" at 2693,847.32 h40 r90
  text "IO9" at 1593,843.98 h40 r90
  text "IO8" at 1693,843.98 h40 r90
  text "IO7" at 1793,843.98 h40 r90
  text "IO6" at 1893,843.98 h40 r90
  text "IO5" at 1993,843.98 h40 r90
  text "IO4" at 2093,843.98 h40 r90
  text "IO3" at 2193,843.98 h40 r90
  text "IO2" at 2293,843.98 h40 r90
  text "IO0" at 2493,843.98 h40 r90
  text "IO1" at 2393,837.32 h40 r90
  text "NC" at 393,827.32 h40 r90
  text "(c) 2026 Nguyen Quang Minh" at 1833.17,384.33 h40
  text "EN" at 2456,171.68 h40 r270
  text "GND" at 356,151.68 h40 r270
  text "GND" at 2556,151.68 h40 r270
  text "IO21" at 856,141.69 h40 r270
  text "I041" at 1856,141.69 h40 r270
  text "IO47" at 456,135.02 h40 r270
  text "IO48" at 556,135.02 h40 r270
  text "IO26" at 956,135.02 h40 r270
  text "IO33" at 1056,135.02 h40 r270
  text "IO34" at 1156,135.02 h40 r270
  text "IO35" at 1256,135.02 h40 r270
  text "IO36" at 1356,135.02 h40 r270
  text "IO37" at 1456,135.02 h40 r270
  text "IO38" at 1556,135.02 h40 r270
  text "IO39" at 1656,135.02 h40 r270
  text "IO40" at 1756,135.02 h40 r270
  text "IO42" at 1956,135.02 h40 r270
  text "IO45" at 2256,135.02 h40 r270
  text "IO46" at 2356,135.02 h40 r270
  text "USB-" at 656,131.69 h40 r270
  text "USB+" at 756,131.69 h40 r270
  text "TXD0" at 2056,131.69 h40 r270
  text "RXD0" at 2156,131.69 h40 r270
  text "+3V3" at 2656,131.69 h40 r270
Top Solder:
  drawing of 13 lines, arcs and shapes, not listed
Board Shape:
  lines w20: -15,-15 -10,-20 2745,-20 2755,-10 2755,1015 2750,1020 -5,1020 -15,1010 -15,-15